# KiCad board ikafly_rev0a_p_cut.kicad_pcb (continued)
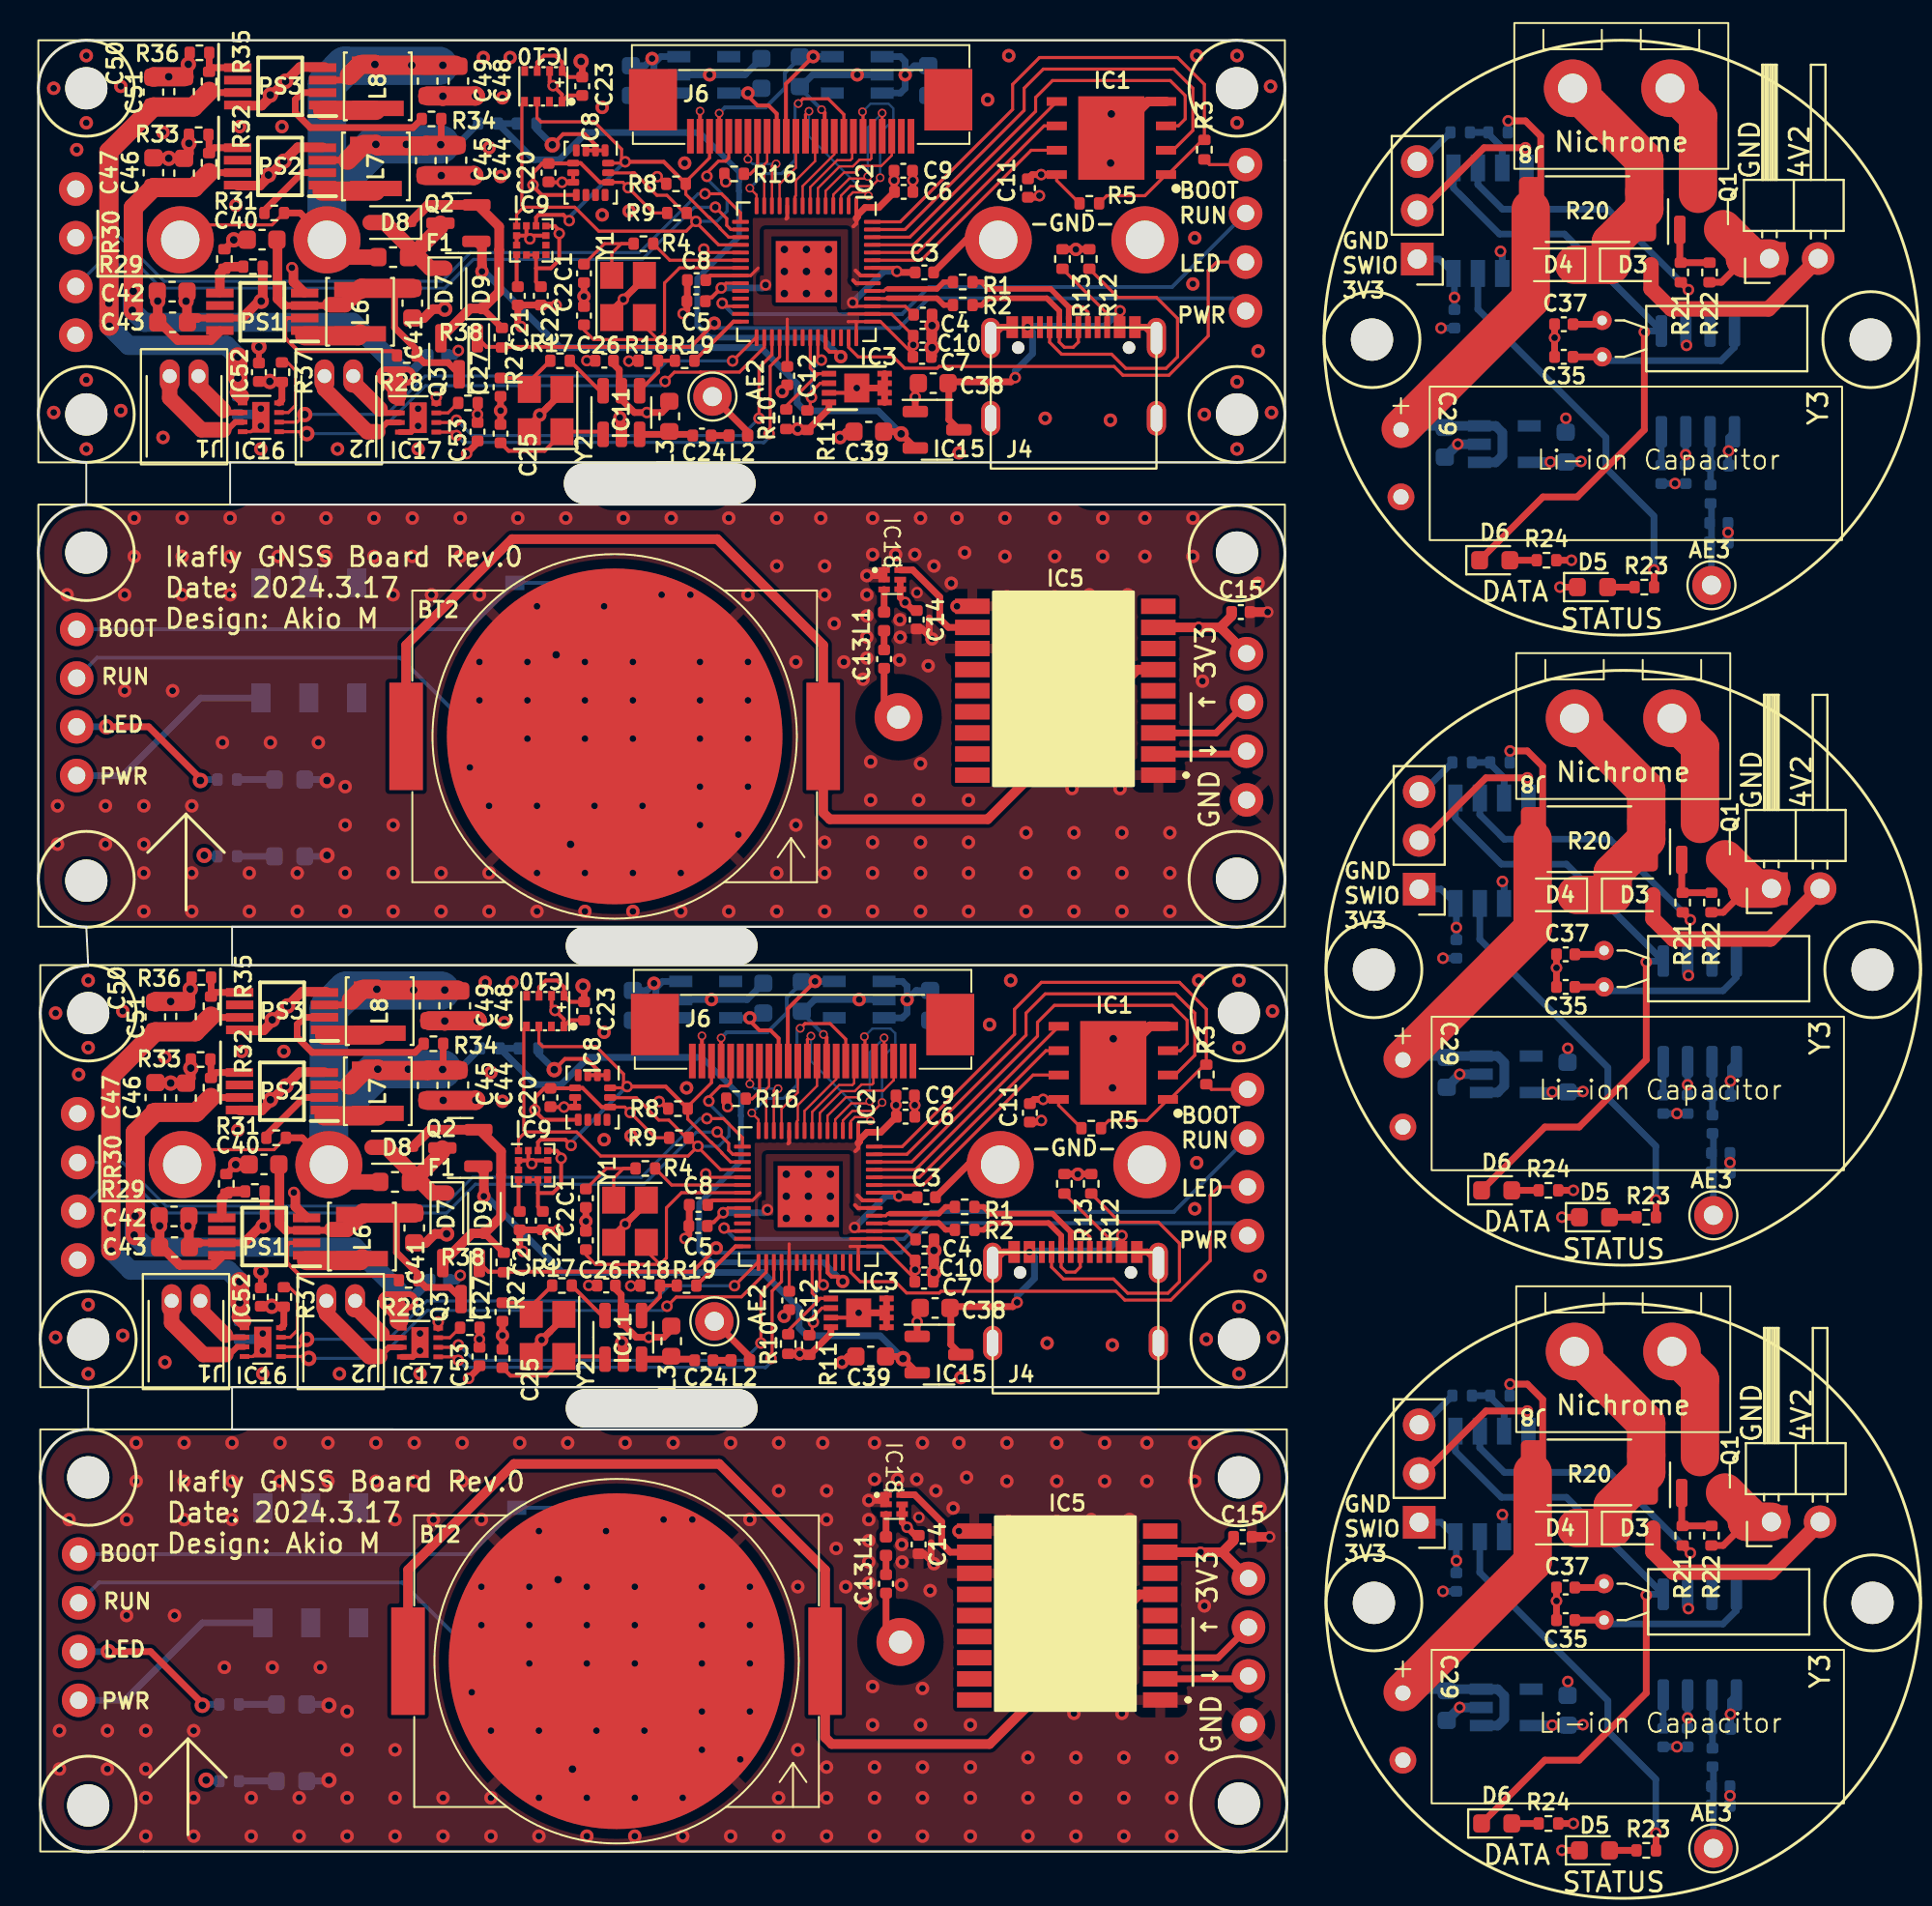
[diagram p0: board, top side]
## Routing (per net, layer and track width the routed paths; a pad name or vN(x,y) marks a point on that pad's centre or on a via; arc(x,y) is an arc through that point) (continued)
  Top w0.16: R3#2.1 61.17,39.72 J3#2.5 ; R3.1 61.07,87.92 J3.5
  Bottom w0.2: J5#2.5 22.43,63.7 S1#2.B1 S1#2.A1 ; S1.A1 S1.B1 22.53,15.5 J5.5
/Ikafly_GNSS/LED: length 69.8
  Top w0.16: J3.7 61.44,82.84 61,82.4 61,78.99 58.95,76.94 56.55,76.94 56.09,77.4 46.96,77.4 46.87,77.31 45.17,77.31 44.58,77.9 42.75,77.9 42.25,78.4 IC2.41 ; J3#2.7 61.54,34.64 61.1,34.2 61.1,30.79 59.05,28.74 56.65,28.74 56.19,29.2 47.06,29.2 46.97,29.11 45.27,29.11 44.69,29.7 42.85,29.7 42.35,30.2 IC2#2.41
  Top w0.35: v2(8.45,55.82) 8.45,55.92 5.75,58.62 v2(3.55,58.62) ; v2(8.55,7.62) 8.55,7.72 5.85,10.42 v2(3.65,10.42)
  Bottom w0.35: R14.1 8.5,55.87 v2(8.45,55.82) ; v2(3.55,58.62) J5#2.7 ; v2(8.55,7.62) 8.6,7.67 R14#2.1 ; v2(3.65,10.42) J5.7
/Ikafly_GNSS/MISO: length 85.5
  Top w0.16: v3(35.3,85.7) 35.89,85.11 35.89,84.75 36.11,84.54 IC2.16 ; IC2#2.16 36.21,36.34 35.99,36.55 35.99,36.91 v3(35.4,37.5)
  Top w0.35: IC5.2 62.85,57.2 J5#2.3 ; IC5#2.2 62.95,9 J5.3
  Bottom w0.16: J3.3 3.08,82.7 5.19,82.7 6.41,81.48 21.19,81.48 22.69,82.98 31.49,82.98 34.21,85.7 v3(35.3,85.7) ; v3(35.4,37.5) 34.31,37.5 31.59,34.78 22.79,34.78 21.29,33.28 6.51,33.28 5.29,34.5 3.18,34.5 J3#2.3
/Ikafly_GNSS/MOSI: length 87.3
  Top w0.16: v3(34.86,38.2) 35.72,38.2 36.71,37.21 IC2#2.15 ; v3(34.76,86.4) 35.62,86.4 36.61,85.41 IC2.15
  Top w0.35: IC5.3 61.41,58.3 J5#2.2 ; J5.2 61.51,10.1 IC5#2.3
  Bottom w0.16: v3(34.86,38.2) 34.5,38.2 31.44,35.14 22.64,35.14 21.14,33.64 6.66,33.64 4.39,35.91 J3#2.2 ; J3.2 4.29,84.11 6.56,81.84 21.04,81.84 22.54,83.34 31.34,83.34 34.4,86.4 v3(34.76,86.4)
/Ikafly_GNSS/RUN: length 125
  Top w0.16: v3(35.76,32.5) 35.92,32.34 IC2#2.26 ; IC2.26 35.82,80.54 v3(35.66,80.7)
  Bottom w0.2: v3(35.76,32.5) 36.33,31.93 45.13,31.93 46.54,33.34 59.21,33.34 J3#2.6 ; J3.6 59.11,81.54 46.44,81.54 45.03,80.13 36.23,80.13 v3(35.66,80.7) ; J5.6 3.16,14.02 18.97,14.02 S2.B1 S2.A1 ; S2#2.A1 S2#2.B1 18.88,62.22 3.06,62.22 J5#2.6
/Ikafly_MCU/I2C0.SCL: length 10.9
  Top w0.16: v3(40.83,77.73) 40.65,77.91 IC2.37 ; IC2#2.37 40.75,29.71 v3(40.93,29.53) ; IC3.6 40.86,28.33 40.41,27.87 v3(40.41,27.59) 40.35,27.53 40.35,26.96 ; 40.25,75.16 40.25,75.73 v3(40.31,75.79) 40.31,76.07 40.76,76.53 IC3#2.6
  Bottom w0.16: v3(40.31,75.79) 40.31,77.21 v3(40.83,77.73) ; v3(40.93,29.53) 40.41,29.01 v3(40.41,27.59)
/Ikafly_MCU/I2C0.SDA: length 10.6
  Top w0.16: IC2#2.36 40.35,29.11 40.63,28.83 40.83,28.83 ; IC3#2.5 40.73,77.03 ; 40.73,77.03 40.53,77.03 40.25,77.31 IC2.36 ; 40.73,77.03 40.67,77.03 39,75.35 R10#2.2 ; 40.83,28.83 40.77,28.83 39.1,27.15 R10.2 ; 40.83,28.83 IC3.5
/Ikafly_MCU/M1.PWMA: length 53.4
  Top w0.16: v3(36.2,77.69) 37.41,78.9 IC2.29 ; v2(13.89,74.89) 13.5,74.5 IC16.6 ; IC16#2.6 13.6,26.3 v2(13.99,26.69) ; v3(36.3,29.49) 37.51,30.7 IC2#2.29
  Bottom w0.16: v2(13.99,26.69) 14,26.7 18.26,26.7 20.26,28.7 32.1,28.7 32.89,29.49 v3(36.3,29.49) ; v2(13.89,74.89) 13.9,74.9 18.16,74.9 20.16,76.9 32,76.9 32.79,77.69 v3(36.2,77.69)
/Ikafly_MCU/M1.PWMB: length 55.8
  Top w0.16: IC2#2.30 37.95,30.2 36.66,28.91 34.63,28.91 34.62,28.9 33.26,28.9 v3(32.78,28.42) ; v3(32.68,76.62) 33.16,77.1 34.52,77.1 34.53,77.11 36.56,77.11 37.85,78.4 IC2.30 ; IC16.5 13.9,74 v2(14,73.9) ; IC16#2.5 14,25.8 v2(14.1,25.7)
  Bottom w0.16: 32.56,76.5 v3(32.68,76.62) 32.46,76.4 20.18,76.4 17.68,73.9 v2(14,73.9) ; v2(14.1,25.7) 17.78,25.7 20.28,28.2 32.56,28.2 v3(32.78,28.42) 32.66,28.3
/Ikafly_MCU/M2.PWMA: length 44.1
  Top w0.16: IC17#2.6 21.78,26.28 v3(21.9,26.4) ; v3(21.8,74.6) 21.68,74.48 IC17.6 ; v3(37.68,26.5) 37.68,29.14 38.35,29.81 IC2#2.31 ; IC2.31 38.25,78.01 37.58,77.34 v3(37.58,74.7)
  Bottom w0.16: v3(37.58,74.7) 36.68,73.8 22.62,73.8 21.82,74.6 v3(21.8,74.6) ; v3(37.68,26.5) 36.78,25.6 22.72,25.6 21.92,26.4 v3(21.9,26.4)
/Ikafly_MCU/M2.PWMB: length 46.5
  Top w0.16: v3(21.9,25.6) 21.72,25.78 IC17#2.5 ; IC2#2.32 38.75,29.7 38.26,29.21 38.26,25.76 v3(38.2,25.7) ; v3(21.8,73.8) 21.62,73.98 IC17.5 ; IC2.32 38.65,77.9 38.16,77.41 38.16,73.96 v3(38.1,73.9)
  Bottom w0.16: 37.9,73.5 38.1,73.7 v3(38.1,73.9) ; 37.9,73.5 37.8,73.4 ; 37.9,73.5 37.84,73.44 22.16,73.44 v3(21.8,73.8) ; v3(38.2,25.7) 38.2,25.5 38,25.3 ; v3(21.9,25.6) 22.26,25.24 37.94,25.24 38,25.3 ; 38,25.3 37.9,25.2
/Ikafly_MCU/QSPI_SCLK: length 24.7
  Top w0.16: IC2.52 45.84,83.34 52.44,89.94 IC1.6 ; IC1#2.6 52.54,41.74 45.94,35.14 IC2#2.52
/Ikafly_MCU/QSPI_SD0: length 25.4
  Top w0.16: IC2.53 45.64,83.74 53.1,91.2 IC1.5 ; IC2#2.53 45.74,35.54 53.2,43 IC1#2.5
/Ikafly_MCU/QSPI_SD1: length 50.6
  Top w0.16: IC2#2.55 45.29,36.34 51.5,42.55 51.5,43.7 52.5,44.7 59.3,44.7 60.3,43.7 60.3,41.5 59.27,40.47 IC1#2.2 ; IC2.55 45.19,84.54 51.4,90.75 51.4,91.9 52.4,92.9 59.2,92.9 60.2,91.9 60.2,89.7 59.17,88.67 IC1.2
/Ikafly_MCU/QSPI_SD2: length 45.6
  Top w0.16: IC1#2.3 59.54,41.74 59.9,42.1 59.9,43.32 59.12,44.1 52.98,44.1 52.1,43.22 52.1,42.5 45.54,35.94 IC2#2.54 ; IC2.54 45.44,84.14 52,90.7 52,91.42 52.88,92.3 59.02,92.3 59.8,91.52 59.8,90.3 59.44,89.94 IC1.3
/Ikafly_MCU/QSPI_SD3: length 24
  Top w0.16: IC1#2.7 51.87,40.47 46.14,34.74 IC2#2.51 ; IC1.7 51.77,88.67 46.04,82.94 IC2.51
/Ikafly_MCU/QSPI_SS: length 63.8
  Top w0.16: R5#2.2 55.71,86.3 57.7,86.3 IC1.1 58.9,87.4 60.8,89.3 60.8,92.1 59.4,93.5 52.2,93.5 50.8,92.1 50.8,90.8 44.94,84.94 IC2.56 ; IC2#2.56 45.04,36.74 50.9,42.6 50.9,43.9 52.3,45.3 59.5,45.3 60.9,43.9 60.9,41.1 59,39.2 IC1#2.1 57.8,38.1 55.81,38.1 R5.2
/Ikafly_MCU/RF_TX: length 6.5
  Top w0.2: IC2.28 36.25,79.74 R19.2 ; IC2#2.28 36.35,31.54 R19#2.2
/Ikafly_MCU/USB.D_N: length 17.2
  Top w0.16: J4.7 54.33,30.47 54.06,30.2 53.6,30.2 53.33,30.47 J4.5 ; J4#2.5 53.23,78.67 53.5,78.4 53.96,78.4 54.23,78.67 J4#2.7
  Top w0.286: R2.1 49.19,80.6 49.55,80.96 52.58,80.96 53.24,80.3 53.24,79.88 53.23,79.87 J4#2.5 ; J4.5 53.33,31.67 53.34,31.68 53.34,32.1 52.68,32.76 49.65,32.76 49.29,32.4 R2#2.1
/Ikafly_MCU/USB.D_P: length 17
  Top w0.16: J4.8 54.83,32.03 54.56,32.3 53.82,32.3 ; 53.72,80.5 54.46,80.5 54.73,80.23 J4#2.8
  Top w0.286: R1#2.1 49.29,33.6 49.65,33.24 52.88,33.24 53.82,32.3 53.82,31.68 53.83,31.67 J4.6 ; R1.1 49.19,81.8 49.55,81.44 52.78,81.44 53.72,80.5 53.72,79.88 53.73,79.87 J4#2.6
/Ikafly_MCU/USB_BD_N: length 8.7
  Top w0.16: 44.41,32.76 44.39,32.74 IC2#2.46 ; 44.31,80.96 44.29,80.94 IC2.46
  Top w0.286: 44.41,32.76 46.95,32.76 47.31,32.4 R2#2.2 ; R2.2 47.21,80.6 46.85,80.96 44.31,80.96
/Ikafly_MCU/USB_BD_P: length 8.8
  Top w0.16: 44.41,33.24 44.29,33.24 44.19,33.14 IC2#2.47 ; 44.31,81.44 44.19,81.44 44.09,81.34 IC2.47
  Top w0.286: R1#2.2 47.31,33.6 46.95,33.24 44.41,33.24 ; R1.2 47.21,81.8 46.85,81.44 44.31,81.44
/Ikafly_Motor1/OUT1: length 6.9
  Top w0.3: 8.45,28.05 J1#2.1 ; IC16#2.2 9.7,26.8 ; 8.35,76.25 J1.1 ; IC16.2 9.6,75
  Top w0.8: 9.66,75.11 8.41,76.36 ; 9.76,26.91 8.51,28.16
/Ikafly_Motor1/OUT2: length 11.6
  Top w0.3: 9.67,74.1 9.87,74.1 10.27,74.5 IC16.3 ; 9.77,25.9 9.97,25.9 10.37,26.3 IC16#2.3
  Top w0.8: 9.67,74.1 8.5,74.1 6.85,75.75 J1.2 ; J1#2.2 6.95,27.55 8.6,25.9 9.77,25.9
/Ikafly_Motor2/OUT1: length 8.3
  Top w0.3: IC17#2.2 17.92,26.78 ; 16.52,28.18 16.52,28.5 ; IC17.2 17.82,74.98 ; 16.42,76.38 16.42,76.7
  Top w0.5: J2.1 16.42,76.38 ; J2#2.1 16.52,28.18
  Top w0.8: J2.1 16.42,76.58 17.82,75.18 ; 17.92,26.98 16.52,28.38 J2#2.1
/Ikafly_Motor2/OUT2: length 11.8
  Top w0.3: 17.8,25.8 18.28,26.28 IC17#2.3 ; J2.2 14.92,76.7 ; J2#2.2 15.02,28.5 ; 17.7,74 18.18,74.48 IC17.3
  Top w0.8: 17.8,25.8 17.25,25.8 15.02,28.04 J2#2.2 ; 17.7,74 17.15,74 14.92,76.24 J2.2
/Ikafly_Separation_Board/DATA: length 97.2
  Top w0.35: v3(83.84,46.36) 83.84,41.26 80.34,37.76 78.55,37.76 D6.1 ; v3(83.74,79.2) 83.74,74.1 80.24,70.6 78.45,70.6 D6#2.1 ; v3(83.84,13.36) 83.84,8.26 80.34,4.76 78.55,4.76 D6#3.1
  Bottom w0.35: IC12#3.5 73.79,86.7 76.19,84.3 79.58,84.3 IC13#3.5 83.79,79.25 v3(83.74,79.2) ; v3(83.84,13.36) 83.89,13.41 IC13#2.5 79.68,18.46 76.29,18.46 73.89,20.86 IC12#2.5 ; IC12.5 73.89,53.86 76.29,51.46 79.68,51.46 IC13.5 83.89,46.41 v3(83.84,46.36)
/Ikafly_Separation_Board/HEAT: length 44
  Top w0.35: R21.1 85.75,15.95 v3(86.14,15.56) ; v3(86.04,81.4) 85.65,81.79 R21#2.1 ; v3(86.14,48.56) 85.75,48.95 R21#3.1
  Bottom w0.35: IC12#3.6 75.06,86.88 76.34,85.6 81.84,85.6 v3(86.04,81.4) ; IC12.6 75.16,54.04 76.44,52.76 81.94,52.76 v3(86.14,48.56) ; v3(86.14,15.56) 81.94,19.76 76.44,19.76 75.16,21.04 IC12#2.6
/Ikafly_Separation_Board/LED: length 60.5
  Top w0.35: R23#3.1 84.35,0.95 v3(84.34,0.96) ; R23.1 84.25,66.79 v3(84.24,66.8) ; v3(84.34,33.96) 84.35,33.95 R23#2.1
  Bottom w0.35: IC12#3.3 75.06,80.38 81.74,73.7 81.74,72.1 84.24,69.6 v3(84.24,66.8) ; IC12.3 75.16,47.54 81.84,40.86 81.84,39.26 84.34,36.76 v3(84.34,33.96) ; v3(84.34,0.96) 84.34,3.76 81.84,6.26 81.84,7.86 75.16,14.54 IC12#2.3
/Ikafly_Separation_Board/SWIO: length 24.2
  Top w0.35: v3(77.54,88.8) 75.38,88.8 72.12,85.54 J9.2 ; v3(77.64,22.96) 75.48,22.96 72.22,19.7 J9#3.2 ; v3(77.64,55.96) 75.48,55.96 72.22,52.7 J9#2.2
  Bottom w0.35: IC12#3.8 77.6,88.74 v3(77.54,88.8) ; IC12.8 77.7,55.9 v3(77.64,55.96) ; IC12#2.8 77.7,22.9 v3(77.64,22.96)
/Ikafly_Separation_Board/VCAP: length 86.9
  Top w0.35: v3(76.64,90.2) 77.54,90.2 78.34,89.4 78.34,86.13 77.81,85.6 ; v3(76.74,24.36) 77.64,24.36 78.44,23.56 78.44,20.29 R20#3.2 ; v3(76.74,57.36) 77.64,57.36 78.44,56.56 78.44,53.29 R20.2
  Top w2: R20#3.2 77.91,15.09 71.14,8.31 ; 71.14,41.31 77.91,48.09 R20.2 ; 71.04,74.15 77.81,80.93 77.81,85.6
  Bottom w0.35: R25.1 76.62,90.18 v3(76.64,90.2) ; v3(76.74,57.36) 76.72,57.34 R25#2.1 ; v3(76.74,24.36) 76.72,24.34 R25#3.1
  Bottom w0.5: IC14.1 75.99,72.4 76.34,72.75 76.34,73.95 75.99,74.3 IC14.3 71.19,74.3 71.04,74.15 ; 71.14,8.31 71.29,8.46 IC14#3.3 76.09,8.46 76.44,8.11 76.44,6.91 76.09,6.56 IC14#3.1 ; IC14#2.1 76.09,39.56 76.44,39.91 76.44,41.11 76.09,41.46 IC14#2.3 71.29,41.46 71.14,41.31
/POWER: length 106.1
  Top w0.2: v1(35.25,79.65) 34.01,78.42 23.36,78.42 22.89,78.9 ; v1(35.35,31.45) 34.11,30.22 23.46,30.22 22.99,30.7
  Bottom w0.2: J3#2.8 62.4,32.75 46.52,32.75 44.98,31.21 35.59,31.21 v1(35.35,31.45) ; v1(35.25,79.65) 35.49,79.41 44.88,79.41 46.42,80.95 62.3,80.95 J3.8
  Bottom w0.35: S3.3 8.45,60.12 4.41,56.08 J5#2.8 ; S3#2.3 8.55,11.92 4.51,7.88 J5.8
/VM1: length 59.9
  Top w0.35: R35#2.1 9.06,43.48 PS3.7 ; PS3#2.7 8.96,91.68 R35.1
  Top w0.8: 10.6,75.84 10.38,76.06 10.4,76.08 v2(10.4,76.8) ; v2(10.5,28.6) 10.5,27.88 10.48,27.86 10.7,27.64
  Top w1: v2(3.8,31.3) 3.78,31.32 3.78,40.41 C50.1 8.19,42.73 R35#2.1 ; R35.1 8.08,90.93 6,90.93 3.68,88.61 3.68,79.52 v2(3.7,79.5) ; v2(10.5,28.6) v2(10.5,29.7) ; v2(10.4,76.8) v2(10.4,77.9)
  Bottom w0.5: C54.1 v2(10.5,28.6) ; C54#2.1 v2(10.4,76.8)
  Bottom w1: v2(10.4,76.8) v2(10.4,77.9) 9.8,78.5 4.7,78.5 v2(3.7,79.5) 3.7,80.68 v2(3.68,80.7) ; v2(3.78,32.5) 3.8,32.48 v2(3.8,31.3) 4.8,30.3 9.9,30.3 v2(10.5,29.7) v2(10.5,28.6)
/VM2: length 66.1
  Top w0.35: PS2#2.7 R32#2.1 ; PS2.7 R32.1
  Top w1: v2(19.3,28.7) v2(18.2,28.7) 18.8,28.1 18.8,27.7 ; 18.7,75.9 18.7,76.3 v2(18.1,76.9) v2(19.2,76.9) ; 4.95,80.3 4.95,85.68 C47.1 8.12,86.73 R32.1 ; R32#2.1 8.22,38.53 C47#2.1 5.05,37.48 5.05,32.1
  Bottom w0.5: C55.1 19.32,28.7 v2(19.3,28.7) ; v2(19.2,76.9) 19.22,76.9 C55#2.1
  Bottom w1: 18.85,77.12 18.98,77.12 16.4,79.7 5.52,79.7 v2(4.9,80.33) 4.9,81.28 ; v2(18.1,76.9) 19.06,76.9 19.13,76.97 ; 5,33.08 v2(5,32.13) 5.62,31.5 16.5,31.5 19.08,28.92 18.95,28.92 ; v2(18.2,28.7) 19.16,28.7 19.23,28.77
  vias: v2(4.95,81.33) v2(5.05,33.13)
Net-(AE1-A): length 5.7
  Top w0.35: C13.1 44.1,59.87 AE1#2.1 ; AE1.1 44.2,11.67 C13#2.1
Net-(AE2-A): length 5.6
  Top w0.35: AE2.1 36.98,74 36.98,73.8 ; 37.08,25.6 37.08,25.8 AE2#2.1
Net-(AE3-A): length 12.9
  Bottom w0.35: AE3#3.1 87.34,4.38 C31.1 ; AE3#2.1 87.24,70.22 C31#2.1 ; AE3.1 87.34,37.38 C31#3.1
Net-(BT2-+): length 121.3
  Top w0.5: BT2#2.1 19.17,62.88 24.7,68.4 35.4,68.4 40.92,62.88 BT2#2.1 40.92,54.15 41.27,53.8 49.5,53.8 57.3,61.6 IC5.6 ; BT2.1 19.27,14.68 24.8,20.2 35.5,20.2 41.02,14.68 BT2.1 41.02,5.95 41.37,5.6 49.6,5.6 57.4,13.4 IC5#2.6
Net-(C1-Pad2): length 11.1
  Top w0.16: C1.2 29.52,83.8 R4#2.1 30.4,83.8 29.9,83.3 Y1#2.1 ; Y1.1 30,35.1 30.5,35.6 R4.1 29.62,35.6 C1#2.2
Net-(C13-Pad2): length 2
  Top w0.35: C13.2 L1.1 ; C13#2.2 L1#2.1
Net-(C24-Pad1): length 1.9
  Top w0.35: C24.1 L2.2 ; C24#2.1 L2#2.2
Net-(C27-Pad1): length 7.4
  Top w0.2: R17.1 25.7,28.41 Y2.3 25.1,28.6 C27.1 ; R17#2.1 25.6,76.61 Y2#2.3 25,76.8 C27#2.1
Net-(C37-Pad1): length 4.8
  Top w0.35: C37#3.1 81.44,13.76 Y3.2 ; C37#2.1 81.44,46.76 Y3#3.2 ; Y3#2.2 81.34,79.6 C37.1
Net-(D1-A): length 3.9
  Bottom w0.35: D1#2.2 R14.2 ; D1.2 R14#2.2
Net-(D2-A): length 3.9
  Bottom w0.35: D2.2 R15.2 ; D2#2.2 R15#2.2
Net-(D3-K): length 40.1
  Top w2: D4#2.1 D3#3.1 82.09,51.01 R20.1 83.84,55.32 J8.2 ; D4.1 D3#2.1 82.09,18.01 R20#3.1 83.84,22.32 J8#3.2 ; D4#3.1 D3.1 81.99,83.85 R20#2.1 83.74,88.16 J8#2.2
Net-(D5-A): length 4.2
  Top w0.35: R23#3.2 D5.2 ; R23.2 D5#3.2 ; R23#2.2 D5#2.2
Net-(D6-A): length 4.2
  Top w0.35: R24#2.2 D6.2 ; R24.2 D6#3.2 ; R24#3.2 D6#2.2
Net-(D7-K): length 14.8
  Top w0.8: F1.2 19.41,83.1 20.96,84.66 Q2#2.3 ; D8.2 18.15,36.7 20.53,34.32 D7#2.1 ; F1#2.2 19.51,34.9 21.06,36.46 Q2.3 ; D7.1 20.43,82.52 18.05,84.9 D8#2.2
Net-(D8-K): length 28.7
  Top w0.35: D9#2.1 24.27,31.21 R27.1 ; R27#2.1 24.17,79.41 D9.1
  Top w0.5: 20.99,78.9 22.51,80.42 23.16,80.42 24.02,81.29 24.02,83.46 24.03,83.46 24.03,84.69 22.9,85.82 20.32,85.82 D8#2.1 ; D8.1 20.42,37.62 23,37.62 24.13,36.49 24.13,35.26 24.12,35.26 24.12,33.09 23.26,32.22 22.61,32.22 21.09,30.7
Net-(D9-A): length 59.3
  Top w0.35: C39#2.1 44.88,74 v2(44.99,73.89) IC15#2.2 ; IC15.2 v2(45.09,25.69) 44.97,25.8 C39.1
  Top w0.5: Q2#2.1 23.13,83.63 v1(23.13,82.35) ; Q2.1 23.23,35.43 v1(23.23,34.15)
  Bottom w0.35: v1(23.13,82.35) 23.25,82.35 27.22,78.38 37.68,78.38 39.57,76.49 39.57,75.49 39.98,75.08 43.8,75.08 v2(44.99,73.89) ; v2(45.09,25.69) 43.9,26.88 40.08,26.88 39.67,27.29 39.67,28.29 37.78,30.18 27.32,30.18 23.35,34.15 v1(23.23,34.15)
Net-(IC2-GPIO26_ADC0): length 68.7
  Top w0.2: v1(41.94,29.71) 41.69,29.96 41.36,29.96 41.15,30.17 IC2#2.38 ; IC2.38 41.05,78.37 41.26,78.16 41.59,78.16 v1(41.84,77.91)
  Bottom w0.3: v1(41.94,29.71) 40.95,30.71 35.11,30.71 34.46,31.35 34.46,33.79 36.64,35.97 36.64,38.35 36.62,38.36 36.62,38.84 36.64,38.85 36.64,39.34 34.59,41.39 ; v1(41.84,77.91) 40.85,78.91 35.01,78.91 34.36,79.55 34.36,81.99 36.54,84.17 36.54,86.55 36.52,86.56 36.52,87.04 36.54,87.05 36.54,87.54 34.49,89.59
  Bottom w0.35: 34.49,89.59 28.58,89.59 27.16,88.18 25.84,88.18 R6.2 R7#2.1 ; 34.59,41.39 28.68,41.39 27.26,39.98 25.94,39.98 R6#2.2 R7.1
Net-(IC2-XIN): length 9.8
  Top w0.16: R4.2 33.02,34.74 IC2#2.20 ; IC2.20 32.92,82.94 R4#2.2
Net-(IC2-XOUT): length 25.8
  Top w0.16: Y1.3 31.7,31.31 32.41,30.6 ; 32.41,30.6 32.75,30.94 32.75,33.55 33.54,34.34 IC2#2.21 ; 32.41,30.6 29.05,30.6 28.55,31.1 ; IC2.21 33.44,82.54 32.65,81.75 32.65,79.14 32.31,78.8 ; 32.31,78.8 31.6,79.51 Y1#2.3 ; 32.31,78.8 28.95,78.8 28.45,79.3
Net-(IC9-C1): length 3.4
  Top w0.2: C21#2.2 24.94,81.62 IC9#2.4 ; IC9.4 25.04,33.42 C21.2
Net-(IC11-DIN): length 5.7
  Top w0.2: R19.1 R18.1 32.31,77.1 IC11.4 ; R19#2.1 R18#2.1 32.41,28.9 IC11#2.4
Net-(IC11-PAOUT): length 5.6
  Top w0.35: IC11#2.3 34.16,25.66 C24#2.2 ; C24.2 34.06,73.86 IC11.3
Net-(IC11-XIN): length 4.8
  Top w0.2: IC11#2.6 29.37,27.94 R17.2 ; R17#2.2 29.27,76.14 IC11.6
Net-(IC11-XOUT): length 12.1
  Top w0.2: C25#2.1 24.62,24.8 26.5,24.8 27.4,25.7 Y2.1 29.41,25.8 IC11#2.1 ; IC11.1 29.31,74 Y2#2.1 27.3,73.9 26.4,73 24.52,73 C25.1
Net-(IC12-PC4/A2/T1CH4/MCO/T1CH1CH2N): length 9.3
  Bottom w0.35: R26.1 R25#2.2 75.7,56.69 76.43,55.96 IC12.7 ; IC12#2.7 76.43,22.96 75.7,23.69 R25#3.2 R26#3.1 ; R26#2.1 R25.2 75.6,89.53 76.33,88.8 IC12#3.7
Net-(IC12-PD6/A6/URX/T2CH3_/UTX_PA1/OSCI/A1/T1CH2/OPN0): length 6.2
  Bottom w0.35: IC12.1 77.74,49.37 TP1#3.1 ; TP1#2.1 77.64,82.21 IC12#3.1 ; IC12#2.1 77.74,16.37 TP1.1
Net-(IC13-ANT): length 8.3
  Bottom w0.35: IC13#2.2 87.29,8.14 C31.2 ; C31#2.2 87.19,73.98 IC13#3.2 ; IC13.2 87.29,41.14 C31#3.2
Net-(IC13-CTH): length 5.3
  Bottom w0.35: IC13.4 84.73,41.15 84.73,39.39 ; 84.63,72.23 84.63,73.99 IC13#3.4 ; IC13#2.4 84.73,8.15 84.73,6.39
Net-(IC13-RefOsc): length 28.9
  Top w0.35: C35#2.1 Y3#2.1 ; C35#3.1 Y3.1 ; C35.1 Y3#3.1
  Bottom w0.35: IC13#3.8 88.44,78.4 87.74,77.7 81.74,77.7 Y3#2.1 ; IC13.8 88.54,45.56 87.84,44.86 81.84,44.86 Y3#3.1 ; IC13#2.8 88.54,12.56 87.84,11.86 81.84,11.86 Y3.1
Net-(IC16-~{SLEEP}): length 7.4
  Top w0.16: R37.2 12.99,77.61 13.4,77.2 13.4,75.37 13.03,75 IC16.7 ; IC16#2.7 13.13,26.8 13.5,27.17 13.5,29 13.09,29.41 R37#2.2
Net-(IC17-~{SLEEP}): length 2.7
  Top w0.16: IC17.7 21.36,74.98 21.88,75.5 R38#2.2 ; R38.2 21.98,27.3 21.46,26.78 IC17#2.7
Net-(IC18-RFIN): length 2.4
  Top w0.35: L1#2.2 IC18#2.3 ; L1.2 IC18.3
Net-(IC18-RFOUT): length 11.3
  Top w0.35: 45.04,18.59 45.69,18.59 47.1,17.19 47.1,16.05 47.55,15.6 IC5#2.11 ; 44.94,66.79 45.59,66.79 47,65.39 47,64.25 47.45,63.8 IC5.11
Net-(J4-A5_CC1): length 31.9
  Top w0.16: R12.1 56.39,32.8 58.4,32.8 59.5,31.7 59.5,29.7 58.9,29.1 56.8,29.1 56.06,29.84 53.45,29.84 52.83,30.46 J4.4 ; R12#2.1 56.29,81 58.3,81 59.4,79.9 59.4,77.9 58.8,77.3 56.7,77.3 55.96,78.04 53.35,78.04 52.73,78.66 J4#2.4
Net-(J4-B5_CC2): length 8
  Top w0.16: J4#2.10 55.73,80.16 R13.1 ; J4.10 55.83,31.96 R13#2.1
Net-(J6-PWDN): length 4.7
  Top w0.16: J6#2.8 37.5,89.4 37.5,87.81 37.12,87.43 36.92,87.43 ; J6.8 37.6,41.2 37.6,39.61 37.22,39.23 37.02,39.23
Net-(J8-Pin_1): length 18.3
  Top w2: J8#3.1 86.64,24.6 Q1.3 ; Q1#2.3 86.64,57.6 J8.1 ; J8#2.1 86.54,90.44 Q1#3.3
Net-(PS1-EN): length 16.3
  Top w0.2: 13.89,79.93 13,79.93 12.87,79.8 12.87,78.88 13.56,78.2 18.49,78.2 18.69,78 ; 18.79,29.8 18.59,30 13.66,30 12.97,30.68 12.97,31.6 13.1,31.73 13.99,31.73
Net-(PS1-FB): length 4.7
  Top w0.5: 9.46,81.25 9.46,82.25 R30.1 9.81,82.6 R29#2.2 ; R29.2 9.91,34.4 R30#2.1 9.56,34.05 9.56,33.05
Net-(PS1-LX): length 5.9
  Top w1: 13.89,79 16.67,79 L6#2.2 ; L6.2 16.77,30.8 13.99,30.8
Net-(PS2-EN): length 7.9
  Top w0.35: PS2#2.2 13.85,39.3 11.89,37.34 R31.2 ; PS2.2 13.75,87.5 11.79,85.54 R31#2.2
Net-(PS2-FB): length 5.2
  Top w0.35: PS2#2.5 9.28,40.6 R32#2.2 9,41.25 R33.1 ; R33#2.1 8.9,89.45 R32.2 9.18,88.8 PS2.5
Net-(PS2-LX): length 5.6
  Top w1: 17.58,86.54 14.8,86.54 ; 17.68,38.34 14.9,38.34
Net-(PS3-EN): length 18.7
  Top w0.35: R34#2.2 19.64,41.65 14.28,41.65 13.5,42.43 13.5,43.12 13.86,43.48 PS3.2 ; PS3#2.2 13.76,91.68 13.4,91.32 13.4,90.63 14.18,89.85 19.54,89.85 R34.2
Net-(PS3-FB): length 5.2
  Top w0.35: R36#2.1 9.01,44.57 R35#2.2 9.21,44.78 10.5,44.78 ; R36.1 8.91,92.77 R35.2 9.11,92.98 PS3#2.5
Net-(PS3-LX): length 5.6
  Top w1: 17.6,90.75 14.82,90.75 ; 17.7,42.55 14.92,42.55
Net-(Q1-G): length 9.7
  Top w0.35: Q1#2.1 85.69,50.02 R21#3.2 R22#2.1 ; R22#3.1 R21#2.2 85.59,82.86 Q1#3.1 ; R22.1 R21.2 85.69,17.02 Q1.1

## Copper pours and planes (outline as drawn; the poured copper is in the pictures)
/3V3 on Top: 37.38,31.35 37.35,36.95 42.9,36.95 42.9,31.35
/3V3 on Top: 37.27,79.55 37.25,85.15 42.8,85.15 42.8,79.55
/3V3 on In2.Cu: 65,72.4 65,94.4 0,94.4 0,72.4
/3V3 on In2.Cu: 0,70.2 0,48.2 65,48.2 65,70.2
/3V3 on In2.Cu: 0.1,22 0.1,0 65.1,0 65.1,22
/3V3 on In2.Cu: 65.1,24.2 65.1,46.2 0.1,46.2 0.1,24.2
/Ikafly_MCU/1V1 on Top: 41.95,32.15 41.95,35.98 38.32,35.98 38.32,33.15 37.72,33.15 37.72,33.95 37.92,33.95 37.92,36.35 42.32,36.35 42.32,33.55 42.52,33.55 42.52,33.15 42.87,33.15 42.87,32.15
/Ikafly_MCU/1V1 on Top: 41.85,80.35 41.85,84.18 38.22,84.18 38.22,81.35 37.62,81.35 37.62,82.15 37.82,82.15 37.82,84.55 42.22,84.55 42.22,81.75 42.42,81.75 42.42,81.35 42.77,81.35 42.77,80.35
/Ikafly_Separation_Board/3V3 on In2.Cu: 82.58,94.37 71.58,89.77 67.08,78.77 71.68,67.87 82.58,63.37 93.48,67.87 98.08,78.77 93.58,89.77
/Ikafly_Separation_Board/3V3 on In2.Cu: 82.68,61.53 71.68,56.93 67.18,45.93 71.78,35.03 82.68,30.53 93.58,35.03 98.18,45.93 93.68,56.93
/Ikafly_Separation_Board/3V3 on In2.Cu: 82.68,28.53 71.68,23.93 67.18,12.93 71.78,2.03 82.68,-2.47 93.58,2.03 98.18,12.93 93.68,23.93
GND on Top, Bottom, In1.Cu: 0.1,22 0.1,0 65.1,0 65.1,22
GND on Top, Bottom, In1.Cu: 0,70.2 0,48.2 65,48.2 65,70.2
GND on Bottom, In1.Cu: 65,72.4 65,94.4 0,94.4 0,72.4
GND on Bottom, In1.Cu: 65.1,24.2 65.1,46.2 0.1,46.2 0.1,24.2
GND on In1.Cu: 82.64,28.56 71.64,23.96 67.14,12.96 71.74,2.06 82.64,-2.44 93.54,2.06 98.14,12.96 93.64,23.96
GND on In1.Cu: 82.54,94.4 71.54,89.8 67.04,78.8 71.64,67.9 82.54,63.4 93.44,67.9 98.04,78.8 93.54,89.8
GND on In1.Cu: 82.64,61.56 71.64,56.96 67.14,45.96 71.74,35.06 82.64,30.56 93.54,35.06 98.14,45.96 93.64,56.96

## Text on the board
B.Silkscreen: DERC CanSat PJ | ON | VCC | STATUS | OFF | Ikafly Main Board Rev.0 / Date: 2024.3.17 / Design: Akio M | RUN | BOOT | イカフライ
F.Fab: MountingHole
F.Silkscreen: BOOT | PWR | RUN | LED | -GND- | GND / SWIO / 3V3 | Ikafly GNSS Board Rev.0 / Date: 2024.3.17 / Design: Akio M | → | 3V3 | GND
